# Altium PCB fMAX_MB.PcbDoc (part 8 of 13) (continued)
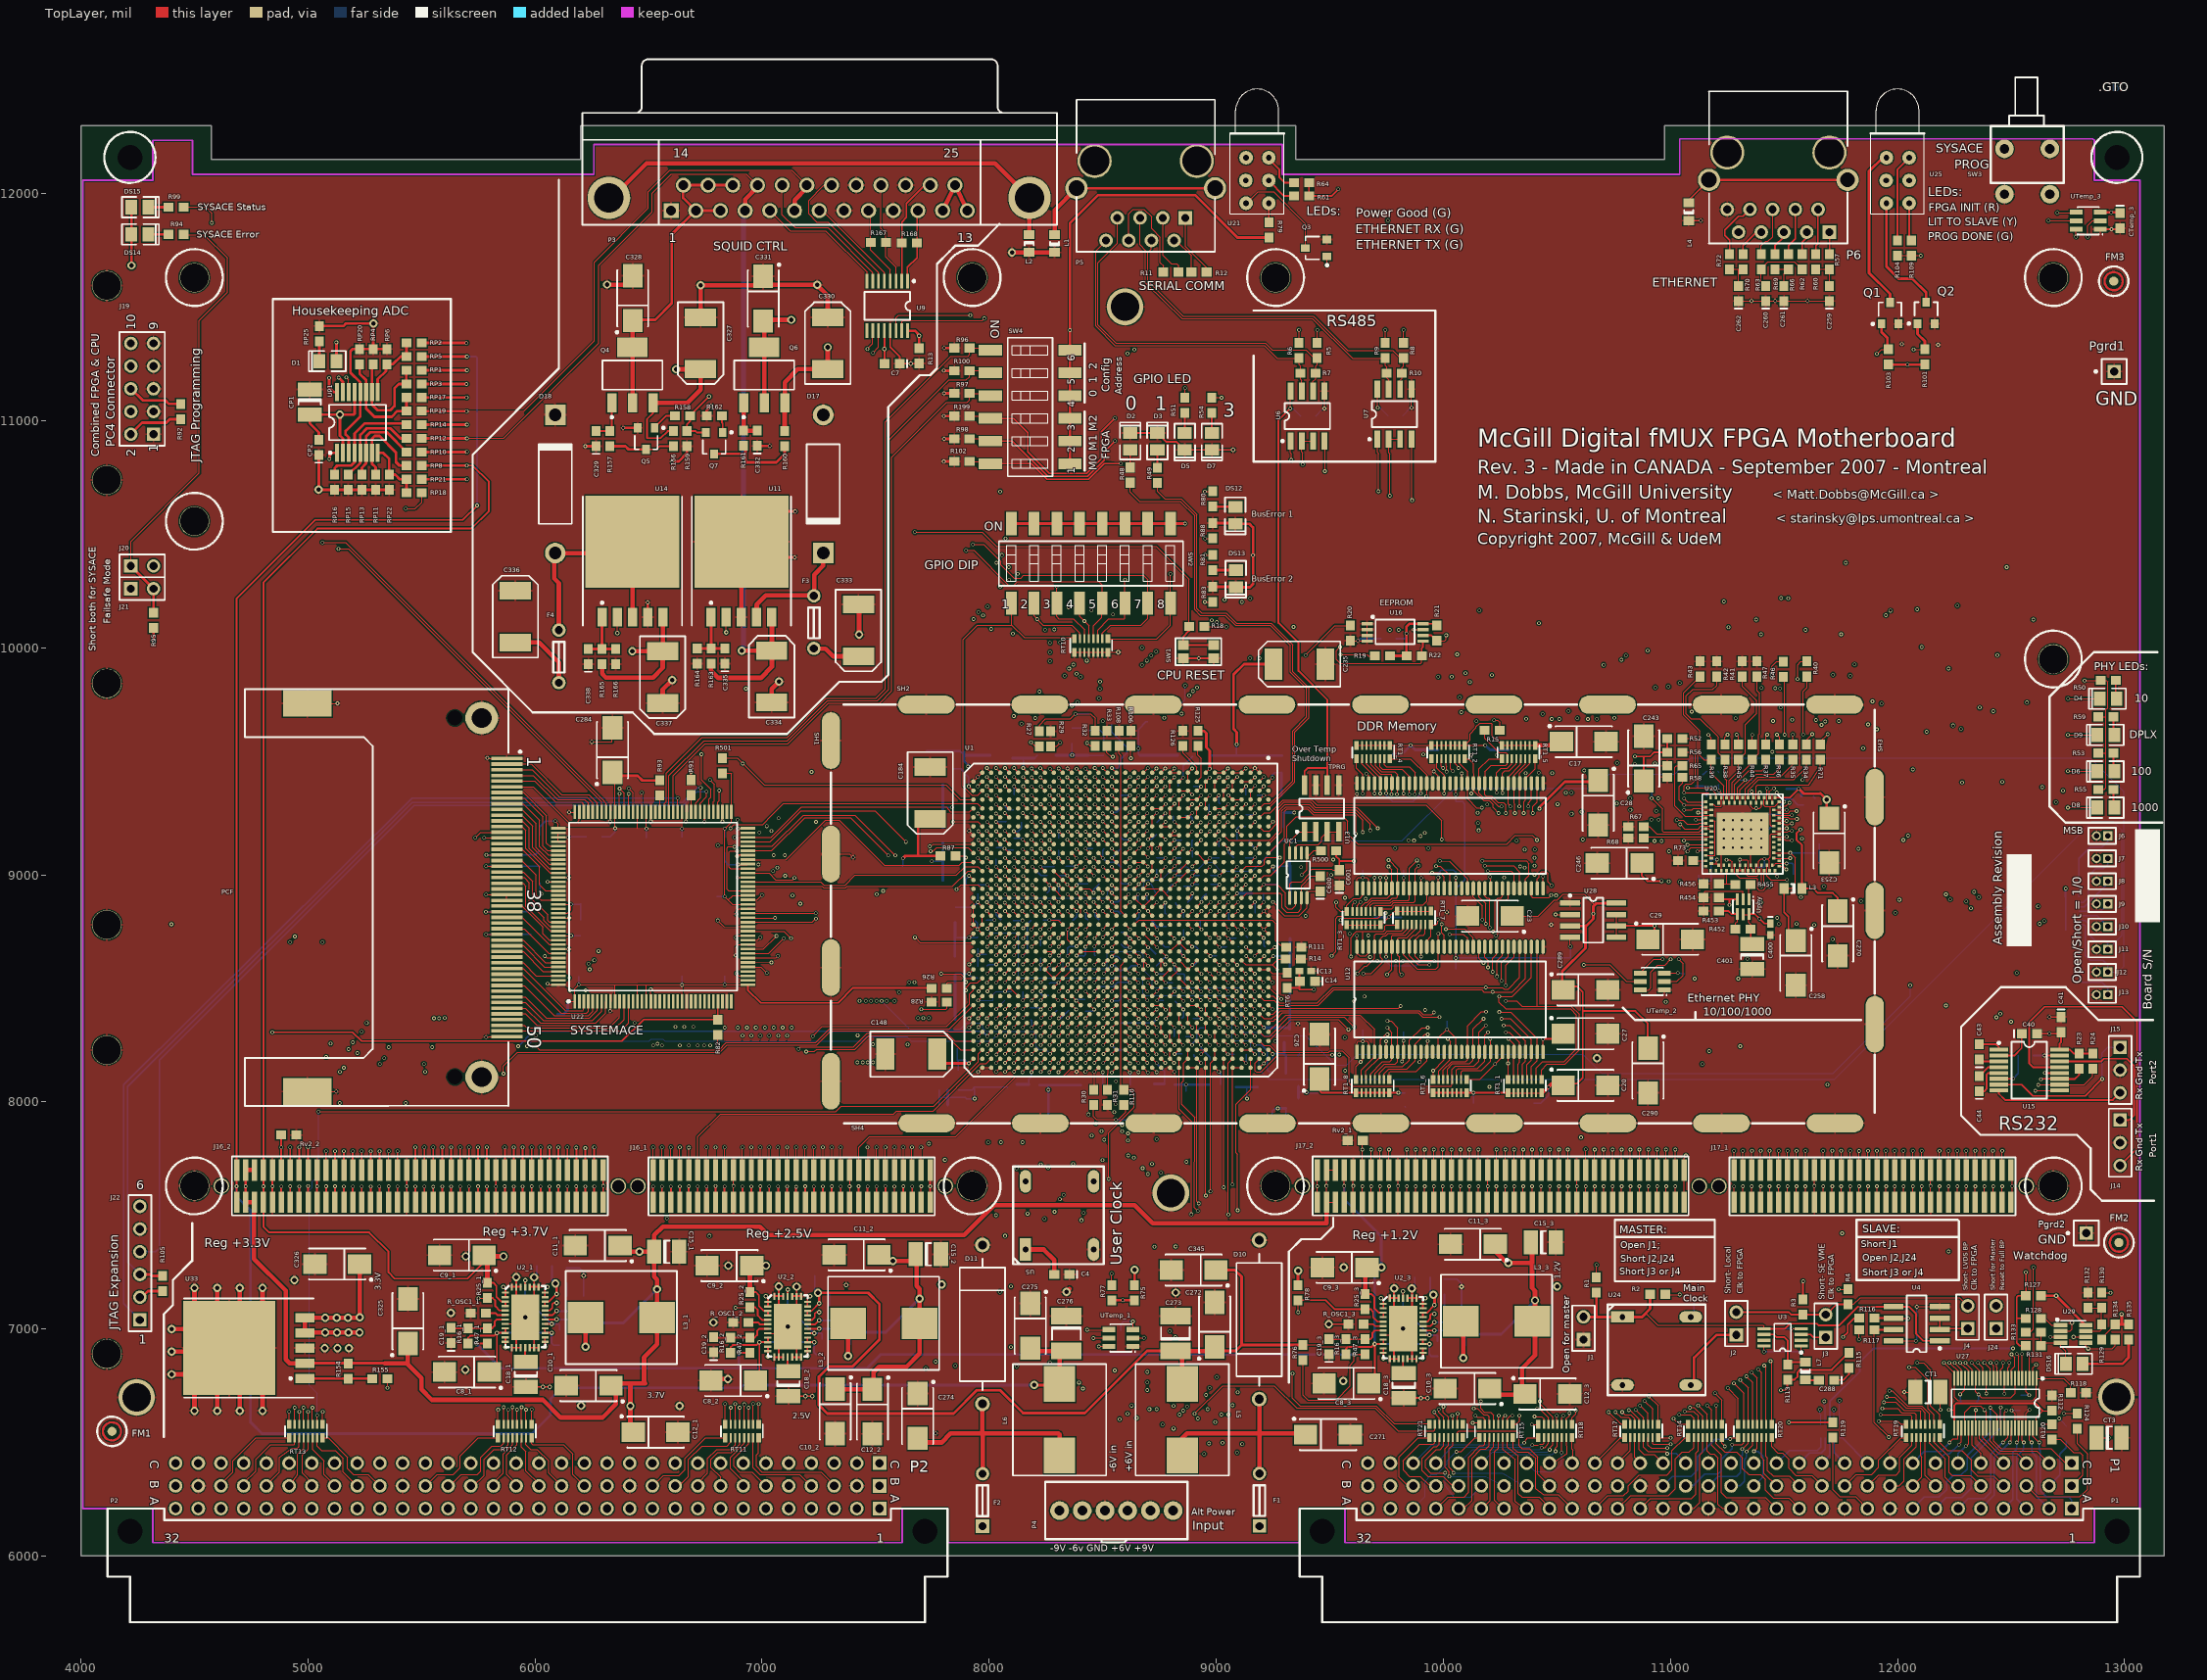
[diagram p0: TopLayer view]
## Nets (pads, with @x,y where several pads share a name; then routed paths per layer and width w, separated by ;. In a path a pad name is that pad's centre, name@x,y a point inside that pad or via, vN(x,y) a via of type N, cw(c..) or ccw(c..) an arc to the next point about the centre after c; other vN are vias at no path point) (continued)
  MidLayer3 w5: v1(9014,9270) 9014,9271.87 9030.51,9288.39 9030.51,9561.02 9061.69,9592.2 11143.2,9592.2 v1(11167,9616)
NetR40_1: R40.1 U1.C5 | length 3195.8
  TopLayer w5: U1.C5@9150.87,9292.13 9151.13,9292.13 v1(9171,9312) ; v1(11560.04,9862.2) 11560.04,9925.2 11574.31,9939.46 R40.1@11601,9939.46
  MidLayer5 w5: v1(9171,9312) 9171,9368.83 9189.96,9387.8 v1(9189.96,9953.74)
  MidLayer4 w5: v1(9189.96,9953.74) 9220.63,9923.07 10218.66,9923.07 10279.53,9862.2 v1(11560.04,9862.2)
NetR41_1_1: R41_1.1 R43_1.2 U2_1.25 | length 246.9
  TopLayer w8: U2_1.25@6043.23,7041.89 v3(6095,7042)
  BottomLayer w8: v3(6095,7042) 6156,7042 6172,7026 R41_1.1@6230.54,7026 R43_1.2@6230.54,6973
NetR41_2_1: R41_2.1 R43_2.2 U2_2.25 | length 246.9
  TopLayer w8: U2_2.25@7199.4,7000.82 v3(7251.17,7000.93)
  BottomLayer w8: v3(7251.17,7000.93) 7312.17,7000.93 7328.17,6984.93 R41_2.1@7386.71,6984.93 R43_2.2@7386.71,6931.93
NetR41_3_1: R41_3.1 R43_3.2 U2_3.25 | length 246.9
  TopLayer w8: U2_3.25@9909.06,6992.82 v3(9960.83,6992.93)
  BottomLayer w8: v3(9960.83,6992.93) 10021.83,6992.93 10037.83,6976.93 R41_3.1@10096.36,6976.93 R43_3.2@10096.36,6923.93
NetR42_1_1: R42_1.1 U2_1.24 U2_1.35 | length 358.3
  TopLayer w8: U2_1.35@5956.61,7186.18 v3(5956.61,7214.39) ; U2_1.24@6043.23,7022.2 v3(6073,7022)
  BottomLayer w8: v3(5956.61,7214.39) 5956.61,7138.39 v3(6073,7022) 6105,7022 6108,7019 R42_1.1@6108,6995.46
NetR42_2_1: R42_2.1 U2_2.24 U2_2.35 | length 358.3
  TopLayer w8: U2_2.35@7112.79,7145.11 v3(7112.79,7173.31) ; U2_2.24@7199.4,6981.13 v3(7229.17,6980.93)
  BottomLayer w8: v3(7112.79,7173.31) 7112.79,7097.31 v3(7229.17,6980.93) 7261.17,6980.93 7264.17,6977.93 R42_2.1@7264.17,6954.39
NetR42_3_1: R42_3.1 U2_3.24 U2_3.35 | length 358.3
  TopLayer w8: U2_3.35@9822.44,7137.11 v3(9822.44,7165.31) ; U2_3.24@9909.06,6973.13 v3(9938.83,6972.93)
  BottomLayer w8: v3(9822.44,7165.31) 9822.44,7089.31 v3(9938.83,6972.93) 9970.83,6972.93 9973.83,6969.93 R42_3.1@9973.83,6946.39
NetR44_1: R44.1 U1.B3 | length 2424.8
  TopLayer w5: U1.B3@9190.24,9370.87 9190.24,9371.24 v1(9209,9390) ; R44.1@11360,9573.46 v1(11360,9616)
  MidLayer1 w5: v1(9209,9390) 9247.28,9390 9273.62,9416.34 9273.62,9466.17 9284.45,9477 9785.58,9477 9812.77,9449.8 9937.99,9449.8 9949.8,9437.99 10066.93,9437.99 10073.82,9431.1 10105.32,9431.1 10122.8,9448.59 10167.09,9448.59 10187.97,9469.47 10261.79,9469.47 10289.71,9497.39 10695.42,9497.39 10747.93,9444.88 10851.38,9444.88 10923.89,9517.39 11093.89,9517.39 11146.5,9570 11311.14,9570 11357.14,9616 v1(11360,9616)
NetR45_1: R45.1 U1.D14 | length 4460
  TopLayer w5: U1.D14@9111.5,8937.8 9111.5,8938.5 v1(9130,8957) ; v1(11291,9617) 11300,9608 R45.1@11300,9573.46
  MidLayer1 w5: v1(9149.61,10217.52) 11228.14,10217.52 11232.08,10221.46 11240.16,10221.46 11266.57,10195.04 11463.74,10195.04 v1(11487.2,10218.5)
  MidLayer5 w5: v1(9130,8957) 9130,8957.76 9149.61,8977.36 9149.61,9273.62 9166.34,9290.35 9179.13,9290.35 9229.33,9340.55 9229.33,10137.8 v1(9149.61,10217.52)
  MidLayer6 w5: v1(11291,9617) 11291,9618.76 11319.88,9647.64 11319.88,9789.99 11487.2,9957.31 v1@11487.2,10219.49
NetR46_1: R46.1 U1.D5 | length 3143.1
  TopLayer w5: U1.D5@9111.5,9292.13 9111.5,9292.5 v1(9131,9312) ; v1(11446.85,9879.92) 11446.85,9918.31 11467.01,9938.46 R46.1@11497,9938.46
  MidLayer5 w5: v1(9131,9312) 9131,9367.22 9149.61,9385.83 v1(9149.61,9954.72)
  MidLayer4 w5: v1(9149.61,9954.72) 9149.61,9955.71 9183.9,9990 9459.86,9990 9516.79,9933.07 10687.01,9933.07 10698.82,9944.88 10738.19,9944.88 10756.89,9926.18 11400.59,9926.18 v1(11446.85,9879.92)
NetR58_2: R58.2 U20.27 | length 237.6
  TopLayer w4: R58.2@11053.46,9430 11053.46,9404.84 11038.39,9389.76 11038.39,9329.61 v1(11060,9308)
  TopLayer w5: v1(11060,9308) 11131.96,9308 11142.48,9297.48 U20.27@11156,9297.48
NetR61_1: R61.1 U21.A2 | length 139.3
  TopLayer w8: U21.A2@9231.18,12057.64 9231.18,12056.82 9299,11989 R61.1@9341.54,11989
NetR64_1: R64.1 U21.A3 | length 179.5
  TopLayer w8: U21.A3@9231.18,12157.64 9231.18,12151.82 9278,12105 9278,12071 9302,12047 R64.1@9341.54,12047
NetR65_2: R65.2 U20.30 | length 387.3
  TopLayer w4: R65.2@11053.46,9480 11025.28,9480 11019.68,9474.41 11019.68,9303.15 11063.98,9258.86 11139.76,9258.86 11142.95,9262.05 U20.30@11180,9262.05
NetR67_2: R67.2 U20.37 | length 288.1
  TopLayer w4: R67.2@10881.46,9212 10908,9212 10940.63,9179.37 11121.63,9179.37 U20.37@11156,9179.37
NetR68_2: R68.2 U20.38 | length 300.8
  TopLayer w4: R68.2@10881.46,9162 10887.02,9167.56 U20.38@11180,9167.56
NetR71_1: R71.1 U1.B13 | length 3404.8
  TopLayer w5: U1.B13@9190.24,8977.17 U1.B13@9190.24,8977.17 9210,8997 9240.11,8997 9300.2,9057.09 9300.2,9133.86 9310.2,9143.86 9310.2,9213.74 9351.22,9254.76 9559.21,9254.76 9578.74,9235.24 9578.74,9180.12 9624.02,9134.84 10278.54,9134.84 10316.93,9173.23 10392.72,9173.23 v1(10412.4,9153.54) ; R71.1@11660,9573.46 11660,9587 v1(11692,9619)
  MidLayer4 w5: v1(10412.4,9153.54) 10482.28,9083.66 10637.8,9083.66 10714.57,9006.89 11405.51,9006.89 11519.68,9121.06 11574.8,9121.06 11650.59,9196.85 11650.59,9577.59 v1(11692,9619)
NetR73_2: R73.2 U20.47 | length 61.3
  TopLayer w4: R73.2@11094.72,9061.26 U20.47@11156,9061.26
NetR75_1: R75.1 R77.1 U2_1.27 U2_2.27 U2_3.27 | length 4255.1
  TopLayer w8: U2_1.27@6043.23,7081.26 6064.26,7081.26 6076,7093 6076,7109 6082,7115 v3(6095,7115) ; U2_2.27@7199.4,7040.19 7220.43,7040.19 7232.17,7051.93 7232.17,7067.93 7238.17,7073.93 v3(7251.17,7073.93) ; U2_3.27@9909.06,7032.19 9930.09,7032.19 9941.83,7043.93 9941.83,7059.93 9947.83,7065.93 v3(9960.83,7065.93)
  TopLayer w12: R77.1@8540,7126.54 R75.1@8640,7126.54
  MidLayer1 w5: v3(6095,7115) 6888.94,7115 6930.01,7073.93 8535.98,7073.93 v1(8588.58,7126.54) 9552.6,7126.54 9613.2,7065.93 v3(9960.83,7065.93)
NetR79_1: R79.1 U21.A1 | length 84.9
  TopLayer w8: U21.A1@9231.18,11957.64 9231.18,11875.28 R79.1@9233,11873.46
NetR84_1: R84.1 U22.133 | length 98.8
  TopLayer w5: U22.133@6102.68,8732.05 v1(6159.05,8732.05)
  BottomLayer w6: v1(6159.05,8732.05) R84.1@6201.51,8732.05
NetR87_1: R87.1 U1.AJ11 | length 304.1
  TopLayer w5: R87.1@7852.46,9083 7891.41,9083 7897.64,9076.77 v1(7897.64,9075.79) ; v1(8110,9075) 8127.24,9057.76 U1.AJ11@8127.24,9055.91
  MidLayer2 w5: v1(7897.64,9075.79) 7918.31,9075.79 7938.98,9055.12 8090.12,9055.12 v1(8110,9075)
NetR88_1: R88.1 U1.AK11 | length 2361.8
  TopLayer w4: v1(8950.84,10481.16) R88.1@8984.79,10481.16
  TopLayer w5: v1(8070,9075) 8087.87,9057.13 U1.AK11@8087.87,9055.91
  MidLayer1 w5: v1(8072.16,10481.16) v1(8950.84,10481.16)
  MidLayer4 w5: v1(8070,9075) 8070,9075.67 8051.18,9094.49 8051.18,10240.16 8069.88,10258.86 8069.88,10360.24 8072.16,10362.51 v1(8072.16,10481.16)
NetR96_2: R96.2 SW4.7 U22.88 | length 3086.9
  TopLayer w5: U22.88@6569.21,9277.32 6569.21,9314.21 6577.9,9322.9 6577.9,9447.9 6736,9606 7110.92,9606 7282.48,9777.56 7501.65,9777.56 7542,9817.91 7542,10995 7831,11284 7906,11284 7913.46,11291.46 R96.2@7913.46,11320 7994.8,11320 SW4.7@8004.8,11310
NetR97_2: R97.2 SW4.9 U22.86 | length 2876.9
  TopLayer w5: U22.86@6608.58,9277.32 6608.58,9436.58 6748,9576 7112.42,9576 7293.31,9756.89 7517.85,9756.89 7571,9810.04 ; 7570.47,9809.51 7571,10839 7813,11081 7903,11081 7913.46,11091.46 R97.2@7913.46,11120 7994.8,11120 SW4.9@8004.8,11110
NetR99_2: R99.2 U22.95 | length 3538.5
  TopLayer w5: R99.2@4453.46,11940 4550.16,11940 4576.77,11913.39 v1(4576.77,11871.06) ; v1(6412,9381) 6431.42,9361.58 U22.95@6431.42,9277.32
  MidLayer1 w5: v1@4577,11871 4577,11216 v1(6412,9381)
NetR100_2: R100.2 SW4.8 U22.87 | length 2976.4
  TopLayer w5: U22.87@6588.9,9277.32 6588.9,9435.9 6744,9591 7110.69,9591 7287.24,9767.56 7508.61,9767.56 7557,9815.94 7557,10914 7822,11179 7899,11179 7913.46,11193.46 R100.2@7913.46,11220 7994.8,11220 SW4.8@8004.8,11210
NetR104_1: R104.1 U25.A3 | length 384.3
  TopLayer w8: R104.1@11999,11793.46 11999,12104 U25.A3@12051.18,12156.18
NetR106_2: R106.2 U1.U13 | length 615.7
  TopLayer w5: U1.U13@8599.69,8977.17 8602.17,8977.17 v1(8620,8995) ; v1(8624,9513) R106.2@8624,9567.53
  MidLayer5 w5: v1@8619.17,8995 v1(8620,8995) 8604.33,9010.67 8604.33,9437.01 8624,9456.68 v1(8624,9513)
NetR108_2: R108.2 U1.U17 | length 759.5
  TopLayer w5: R108.2@8572,9567.53 8572,9533 8580,9525 8580,8839 8599.31,8819.69 U1.U17@8599.69,8819.68
NetR109_1: R109.1 U25.A1 | length 168.2
  TopLayer w8: U25.A1@12051.18,11957.64 12051.18,11803.28 R109.1@12061,11793.46
NetR111_2: R111.2 U1.T18 | length 765.3
  TopLayer w5: U1.T18@8639.69,8780.31 U1.T18@8639.06,8780.31 8658.74,8800 9246,8800 9261,8785 9261,8710 9280,8691 R111.2@9306.53,8691
NetR122_1: R122.1 U1.J31 | length 107.7
  TopLayer w5: U1.J31@8914.65,8268.5 8914.65,8268.35 v1(8933,8250)
  BottomLayer w6: v1(8933,8250) 8933,8236 8972,8197 R122.1@8972,8184.54
NetR123_1: R123.1 U1.K31 | length 133.8
  TopLayer w5: U1.K31@8875.28,8268.5 8875.5,8268.5 v1(8894,8250)
  BottomLayer w6: v1(8894,8250) 8894,8258 8914,8278 8914,8309 8930,8325 R123.1@8947.54,8325
NetR125_2: R125.2 U1.J2 | length 170.5
  TopLayer w5: U1.J2@8914.65,9410.24 8914.65,9410.65 8934,9430 8934,9513 8919,9528 R125.2@8919,9566.54
NetR126_2: R126.2 U1.J1 | length 142.5
  TopLayer w5: R126.2@8853,9566.54 8853,9535 8914.65,9473.35 U1.J1@8914.65,9449.61
NetR128_2: R128.2 U29.1 | length 99
  TopLayer w5: R128.2@12631.78,7046.06 12647.94,7046.06 12677.94,7016.06 U29.1@12718.32,7016.06
NetR129_1: R129.1 R130.1 R132.2 U29.7 | length 227.3
  TopLayer w5: U29.7@12828.55,6990.47 12890.47,6990.47 12898.32,6998.31 R130.1@12898.32,7092.6 R132.2@12838.32,7092.6
NetR154_1: R154.1 R155.2 U33.1 | length 296.1
  TopLayer w12: U33.1@4986.34,6782.14 R155.2@5282.39,6782.14
NetR452_2: R452.2 R453.1 Uphy.4 | length 156.9
  TopLayer w5: R452.2@11286.54,8760 11286.54,8786.54 11294.41,8794.41 Uphy.4@11294.41,8827.52
  TopLayer w8: R453.1@11213.46,8840 11256,8840 11268.48,8827.52 Uphy.4@11294.41,8827.52
NetR455_1: R455.1 R456.2 U20.55 | length 132
  TopLayer w5: R456.2@11213.46,8960 R455.1@11286.54,8960 ; 11247,8960 11247.4,8960.4 U20.55@11247.4,9018.74
NetR455_2: R455.2 Uphy.1 | length 70.8
  TopLayer w5: Uphy.1@11345.59,8892.48 11345.59,8952.13 R455.2@11353.46,8960
NetR_OSC1_1_2: R_OSC1_1.2 U2_1.6 | length 90
  TopLayer w8: R_OSC1_1.2@5783.46,7070 5825,7070 5833.43,7061.57 U2_1.6@5870,7061.57
NetR_OSC1_2_2: R_OSC1_2.2 U2_2.6 | length 90
  TopLayer w8: R_OSC1_2.2@6939.64,7028.93 6981.17,7028.93 6989.6,7020.5 U2_2.6@7026.17,7020.5
NetR_OSC1_3_2: R_OSC1_3.2 U2_3.6 | length 90
  TopLayer w8: R_OSC1_3.2@9649.29,7020.93 9690.83,7020.93 9699.25,7012.5 U2_3.6@9735.83,7012.5
NetRP1_2: RP1.2 RP3.2 RP4.2 UP1.10 | length 496.4
  TopLayer w12: RP4.2@5287.88,11248.42 5281.86,11242.39 5281.86,11071.14 5307,11046 5363,11046 5381,11064 5381,11142 5400,11161 RP3.2@5433.54,11161 5433.54,11221 RP1.2@5434.42,11221.88
NetRP2_2: RP2.2 RP5.2 RP6.2 UP1.9 | length 299.8
  TopLayer w12: UP1.9@5307.45,11125.74 5307.45,11182.45 5343,11218 5343,11243.54 RP6.2@5347.88,11248.42 5374.42,11248.42 5407.88,11281.88 RP5.2@5434.42,11281.88 RP2.2@5434.42,11341.88
NetRP8_1: RP8.1 RP11.2 UP1.7 | length 401.3
  TopLayer w12: RP11.2@5297.88,10761.88 5297.88,10794.12 5281.86,10810.14 5281.86,10919.86 5294,10932 5316,10932 5388,10860 5388,10817 5403.12,10801.88 RP8.1@5434.42,10801.88
NetRP10_1: RP10.1 RP13.2 UP1.6 | length 398
  TopLayer w12: RP13.2@5237.88,10761.88 5237.88,10792.88 5256.27,10811.27 5256.27,10930.27 5275,10949 5347.3,10949 RP10.1@5434.42,10861.88
NetRP12_1: RP12.1 RP15.2 UP1.5 | length 430.8
  TopLayer w12: RP15.2@5177.88,10761.88 5230.68,10814.68 5230.68,10936.68 5260,10966 5363,10966 5407.12,10921.88 RP12.1@5434.42,10921.88
NetRP14_1: RP14.1 RP16.2 UP1.4 | length 503.5
  TopLayer w12: RP16.2@5117.88,10761.88 5117.88,10790.88 5129,10802 5190,10802 5205.09,10817.09 5205.09,10943.09 5250,10988 5428.3,10988 RP14.1@5434.42,10981.88
NetRP17_2: RP17.2 RP19.2 RP20.2 UP1.11 | length 470.1
  TopLayer w12: RP20.2@5227.88,11248.42 5227.88,11206.12 5256.27,11177.73 5256.27,11053.73 5293,11017 5369,11017 5393.88,11041.88 RP19.2@5434.42,11041.88 RP17.2@5434.42,11101.88
NetRP18_1: RP18.1 RP21.1 RP22.2 UP1.8 | length 275.6
  TopLayer w12: UP1.8@5307.45,10858.02 5330.98,10858.02 5357.88,10831.12 RP22.2@5357.88,10761.88 5384.12,10761.88 5404.12,10741.88 RP21.1@5434.42,10741.88 RP18.1@5434.42,10681.88
NetRT6_1: RT6.1 U1.A23 U1.B23 | length 130.5
  TopLayer w5: U1.B23@9190.24,8583.46 9190.54,8583.46 U1.A23@9229.61,8583.46 9229.61,8583.39 9247,8566 9308.54,8566 RT6.1@9312,8569.46
NetTPRG_1: TPRG.1 TPRG.2 UC1.8 | length 196.2
  TopLayer w5: UC1.8@9323.61,9084.69 9323.61,9148.42 9364.83,9189.64 TPRG.2@9439,9189.64
NetTPRG_3: TPRG.3 TPRG.4 UC1.7 | length 265.3
  TopLayer w5: UC1.7@9349.2,9085.83 9349.2,9124.8 9357.59,9133.19 9449.13,9133.19 9463.58,9147.64 9463.58,9164.22 TPRG.3@9489,9189.64 TPRG.4@9539,9189.64
NetU1_F18: U1.F18 U20.2 | length 4291.9
  TopLayer w4: U20.2@11448.19,9317 11448.19,9356.19 v1(11467.52,9362.2)
  TopLayer w5: U1.F18@9032.76,8780.31 9034.69,8780.31 v1(9055,8760)
  MidLayer3 w5: v1(9055,8760) 9056.26,8760 9056.26,8755.75 9091.22,8720.79 9144.68,8720.79 9174.06,8691.42 9217.11,8691.42 9244.2,8718.5 9275.59,8718.5 9302.68,8691.42 9515.24,8691.42 9579.72,8755.91 9672.24,8755.91 9755.91,8672.24 10549.9,8672.24 10554.82,8667.32 11520.67,8667.32 v1(11632.87,8779.53)
  MidLayer6 w5: v1(11467.52,9362.2) 11467.52,9169.29 11511.81,9125 11592.52,9125 11658.46,9190.94 12062.01,9190.94 12065.94,9187.01 12065.94,9152.56 11692.91,8779.53 v1(11632.87,8779.53)
NetU1_H19: U1.H19 U20.4 | length 4011.5
  TopLayer w4: U20.4@11424.57,9317 11424.57,9375.43 v1(11425.2,9380.91)
  TopLayer w5: U1.H19@8954.06,8740.94 v1(8973,8722)
  MidLayer1 w5: v1(8973,8722) 8973,8719.06 8875,8621.06 8875,8385.83 8953.74,8307.09 8953.74,8246.06 9107.13,8092.68 10289.53,8092.68 10519.68,8322.83 10519.68,8814.96 10895.67,9190.94 11125.98,9190.94 11333.66,9398.62 11407.48,9398.62 v1(11425.2,9380.91)
NetU20_58: U20.58 U20.69 U21.K2 | length 4563.8
  TopLayer w4: U20.58@11282.83,9042.41 11282.83,9006.54 11304.28,8985.09 11377.11,8985.09 11382.87,8979.33 11382.87,8938.98 11389.76,8932.09 11409.45,8932.09 11419.29,8941.93 11419.29,8957.68 11412.76,8964.21 U20.69@11412.76,9018.74
  TopLayer w5: 11419.29,8949.8 v1(11436.02,8949.8)
  Gnd3 w5: U21.K2@9130,12057.64 9130,12057.01 9184.06,12002.95 9184.06,11929.13 9379.92,11733.27 9379.92,11572.21 11152.56,9799.58 11152.56,9678.15 11185.04,9645.67 11185.04,9610.24 11151.73,9576.93 11151.73,9012.02 11203.74,8960.01 11369.46,8960.01 11388.78,8979.33 11406.5,8979.33 v1(11436.02,8949.8)
NetU20_68: U20.68 U21.K3 | length 4470.5
  TopLayer w4: v1@11400.94,8950.16 U20.68@11400.94,9042.41
  Gnd3 w5: U21.K3@9131.18,12157.64 9070.87,12097.32 9070.87,11920.28 9180.12,11811.02 9287.4,11811.02 9369.09,11729.33 9369.09,11568.9 11141.73,9796.26 11141.73,9007.87 11199.8,8949.8 v1(11400.59,8949.8)
P1_A1_24: P1.A1 U27.47 | length 482.1
  TopLayer w5: U27.47@12596.35,6563.02 12596.35,6527.65 v1(12624,6500)
  BottomLayer w6: v1(12624,6500) 12624,6469 12628,6465 12628,6288 12657,6259 12755,6259 12767,6247 P1.A1@12767,6209
P1_A2_24: P1.A2 U27.46 | length 389.8
  TopLayer w5: U27.46@12580.61,6563.02 12580.61,6510.39 v1(12591,6500)
  BottomLayer w6: v1(12591,6500) 12591,6458 12612,6437 12612,6264 P1.A2@12667,6209
P1_A3_24: P1.A3 U27.44 | length 387.1
  TopLayer w5: U27.44@12549.11,6563.02 12549.11,6506.89 v1(12556,6500)
  BottomLayer w6: v1(12556,6500) 12556,6469 12525,6438 12525,6251 P1.A3@12567,6209
P1_A4_24: P1.A4 U27.43 | length 381.5
  TopLayer w5: v1(12525,6500) 12533.36,6508.36 U27.43@12533.36,6563.02
  BottomLayer w6: P1.A4@12467,6209 12508,6250 12508,6455 12525,6472 v1(12525,6500)
P1_A5_24: P1.A5 U27.41 | length 411.6
  TopLayer w5: v1(12495,6500) 12501.87,6506.87 U27.41@12501.87,6563.02
  BottomLayer w6: P1.A5@12367,6209 12426,6268 12426,6434 12492,6500 v1(12495,6500)
P1_A6_24: P1.A6 U27.40 | length 486.4
  TopLayer w5: v1(12464,6500) 12486.12,6522.12 U27.40@12486.12,6563.02
  BottomLayer w6: P1.A6@12267,6209 12312,6254 12382,6254 12410,6282 12410,6447 12463,6500 v1(12464,6500)
P1_A7_24: P1.A7 U27.38 | length 695.7
  TopLayer w5: U27.38@12454.62,6563.02 v1(12454.62,6654.38)
  BottomLayer w6: P1.A7@12167,6209 12215,6257 12283,6257 12324,6298 12324,6433 12454.62,6563.62 v1(12454.62,6654.38)
P1_A8_24: P1.A8 U27.37 | length 746
  TopLayer w5: v1(12408,6653) 12438.87,6622.13 U27.37@12438.87,6563.02
  BottomLayer w6: P1.A8@12067,6209 12117,6259 12183,6259 12217,6293 12217,6327 12247,6357 12280,6357 12306,6383 12306,6444 12408,6546 v1(12408,6653)
P1_A12_24: P1.A12 RT14.16 | length 695.3
  TopLayer w5: RT14.16@11225.92,6521.21 11225.92,6496.35 11226.92,6496.35 v1(11240,6483.27)
  MidLayer1 w6: v1(11240,6483.27) 11240,6483 11253,6470 11290,6470 11312,6492 11379,6492 11417,6454 11417,6297 11467,6247 11629,6247 P1.A12@11667,6209
P1_A13_24: P1.A13 RT14.15 | length 566.3
  TopLayer w5: RT14.15@11201.31,6521.21 11201.31,6494.95 11239,6457.27 11292,6457.27 11318,6431.27 11318,6385.27 11344,6359.27 11396,6359.27 11418,6337.27 11418,6289.27 11452,6255.27 11522,6255.27 P1.A13@11568,6209.27
P1_A14_24: P1.A14 RT14.14 | length 531.9
  TopLayer w5: RT14.14@11181.63,6521.21 11181.63,6487.64 11225,6444.27 11225,6279.27 11246,6258.27 11419,6258.27 P1.A14@11468,6209.27
P1_A16_24: P1.A16 RT14.13 | length 390.4
  TopLayer w5: RT14.13@11161.94,6521.21 11161.94,6462.32 11174,6450.27 11193,6450.27 11210,6433.27 11210,6227.27 11228,6209.27 P1.A16@11268,6209.27
P1_A18_24: P1.A18 RT14.12 | length 363.2
  TopLayer w5: P1.A18@11068,6209.27 11103,6209.27 11129,6235.27 11129,6444.27 11142.26,6457.53 RT14.12@11142.26,6521.21
P1_A20_24: P1.A20 RT14.11 | length 523.4
  TopLayer w5: P1.A20@10868,6209.27 10912,6253.27 11093,6253.27 11112,6272.27 11112,6453.27 11122.57,6463.84 RT14.11@11122.57,6521.21
P1_A21_24: P1.A21 RT14.10 | length 567.2
  TopLayer w5: P1.A21@10768,6209.27 10825,6266.27 10992,6266.27 11022,6296.27 11022,6428.27 11051,6457.27 11083,6457.27 11102.89,6477.16 RT14.10@11102.89,6521.21
P1_A22_24: P1.A22 RT14.9 | length 602.8
  TopLayer w5: P1.A22@10668,6209.27 10724,6265.27 10793,6265.27 10814,6286.27 10814,6310.27 10861,6357.27 10984,6357.27 11007,6380.27 11007,6464.27 11063.94,6521.21 RT14.9@11078.28,6521.21
P1_A23_24: P1.A23 RT15.16 | length 491.4
  TopLayer w5: RT15.16@10305.92,6521.21 10306,6476.27 10327,6458.27 10373,6458.27 10406,6429.27 10406,6296.27 10441,6270.27 10506,6270.27 10567,6209.27 P1.A23@10568,6209.27
P1_A24_24: P1.A24 RT15.15 | length 436.4
  TopLayer w5: RT15.15@10281.31,6521.21 10281.31,6479.95 10329,6440.27 10329,6275.27 10346,6260.27 10421,6260.27 10468,6213.27 P1.A24@10468,6209.27
P1_A25_24: P1.A25 RT15.14 | length 368.8
  TopLayer w5: RT15.14@10261.63,6521.21 10261.63,6469.64 10316,6425.27 10316,6241.27 10357,6209.27 P1.A25@10368,6209.27
P1_A26_24: P1.A26 RT15.13 | length 339.5
  TopLayer w5: RT15.13@10241.94,6521.21 10241.94,6476.21 10226,6460.27 10226,6245.27 10262,6209.27 P1.A26@10268,6209.27
P1_A27_24: P1.A27 RT15.12 | length 335.6
  TopLayer w5: P1.A27@10168,6209.27 10170,6209.27 10206,6245.27 10206,6465.27 10222.26,6481.53 RT15.12@10222.26,6521.21
P1_A28_24: P1.A28 RT15.11 | length 392.3
  TopLayer w5: P1.A28@10068,6209.27 10090,6209.27 10126,6245.27 10126,6430.27 10166,6470.27 10186,6470.27 10202.57,6486.84 RT15.11@10202.57,6521.21
P1_A29_24: P1.A29 RT15.10 | length 451.9
  TopLayer w5: P1.A29@9968,6209.27 9970,6209.27 10021,6260.27 10091,6260.27 10111,6280.27 10111,6435.27 10161,6485.27 10176,6485.27 10182.89,6492.16 RT15.10@10182.89,6521.21
P1_A30_24: P1.A30 RT15.9 | length 468.7
  TopLayer w5: v1(10057,6459.27) 10078,6459.27 10139.94,6521.21 RT15.9@10158.28,6521.21
  BottomLayer w5: P1.A30@9868,6209.27 9868,6211.27 9919,6262.27 9919,6329.27 9948,6358.27 9971,6358.27 10017,6404.27 10017,6419.27 v1(10057,6459.27)
P1_C1_24: P1.C1 U27.36 | length 441.7
  TopLayer w5: U27.36@12423.13,6563.02 12423.13,6504.99 12455.11,6473 12676,6473 12740,6409 P1.C1@12767,6409
P1_C2_24: P1.C2 U27.35 | length 357.3
  TopLayer w5: U27.35@12407.38,6563.02 12407.38,6505.18 12450.56,6462 12614,6462 P1.C2@12667,6409
P1_C3_24: P1.C3 U27.33 | length 279
  TopLayer w5: U27.33@12375.88,6563.02 12375.88,6521.12 12446,6451 12526,6451 P1.C3@12567,6410
P1_C4_24: P1.C4 U27.32 | length 198.3
  TopLayer w5: U27.32@12360.13,6563.02 12360.13,6515.87 P1.C4@12467,6409
P1_C5_24: P1.C5 U27.30 | length 169.9
  TopLayer w5: U27.30@12328.64,6563.02 12328.64,6489.36 12367,6451 P1.C5@12367,6409
P1_C6_24: P1.C6 U27.29 | length 173.6
  TopLayer w5: v1(12301,6484) 12312.89,6495.89 U27.29@12312.89,6563.02
  BottomLayer w6: P1.C6@12267,6409 12267,6451 12300,6484 v1(12301,6484)
P1_C7_24: P1.C7 U27.27 | length 213.7
  TopLayer w5: v1(12270,6491) 12281.39,6502.39 U27.27@12281.39,6563.02
  BottomLayer w6: P1.C7@12167,6409 12207,6449 12228,6449 v1(12270,6491)
P1_C8_24: P1.C8 U27.26 | length 290.4
  TopLayer w5: v1(12230,6500) 12245.35,6515.35 12265.65,6515.35 U27.26@12265.65,6563.02
  BottomLayer w6: P1.C8@12067,6409 12118,6460 12190,6460 v1(12230,6500)
PHY_AVDD0_11: C254.2 C255.2 C256.2 C257.2 C258.1 L3.2 P6.9 U20.32 U20.35 U20.36 U20.40 U20.45 U20.78 | length 4952
  TopLayer w4: U20.45@11156,9084.88 11195.12,9084.88 11196,9085.76 11196,9235 11192.58,9238.42 U20.32@11180,9238.42 ; U20.35@11156,9202.99 11168.19,9202.99 U20.36@11180,9191.18 ; U20.40@11180,9143.94 11196,9144 ; U20.78@11455,9096.69 v1@11527.69,9096.69
  TopLayer w5: v1(10917,9338) 10964.57,9290.43 10964.57,9192.91 10968.61,9188.87 11127.85,9188.87 11141.97,9202.99 U20.35@11156,9202.99 ; U20.36@11180,9191.18 11195.18,9191.18 ; L3.2@11500.63,8940 11535,8940 11550,8955 11550,9074.39 v1@11527.69,9096.69
  TopLayer w8: L3.2@11500.63,8940 11500.63,8834.37 11520,8815 11520,8742.43 C258.1@11552,8710.43
  MidLayer6 w5: v1(10917,9338) 10917,9336.94 10978.19,9275.75 10978.19,9087.13 11031.7,9033.62 11463.93,9033.62 v1(11527,9096.69)
  MidLayer6 w8: v1(10917,9338) 10917,9458 10885,9490 10885,9870 11175,10160 11175,11705 P6.9@11300,11830
  BottomLayer w6: v1(10917,9338) C256.2@10917,9373.54 ; v1(11527,9096.69) 11635.84,9096.69 C257.2@11639.54,9093 ; C254.2@11655.41,9047 C255.2@11655.41,9138
PHY_COL_1: U1.J9 U20.83 | length 2744.1
  TopLayer w4: U20.83@11478.9,9155.75 11501.97,9155.51 11506.89,9151.57 v1(11535.43,9151.57)
  TopLayer w5: U1.J9@8914.65,9134.65 v1(8933,9153)
  MidLayer3 w5: v1(8933,9153) 8933,9151.65 8950.79,9133.86 9035.07,9133.86 9055.74,9154.53 9819.88,9154.53 9840.55,9133.86 10885.98,9133.86 10921.26,9169.13 ; 10920.12,9169.13 11187.17,9169.13 11215.55,9140.75 11524.61,9140.75 v1(11535.43,9151.57)
PHY_CRS_1: U1.B6 U20.84 | length 2545.5
  TopLayer w4: U20.84@11455,9167.56 11493.86,9167.56 v1(11511.81,9167.32)
  TopLayer w5: U1.B6@9190.24,9252.76 9190.76,9252.76 9211,9273 9237.57,9273 9294.29,9329.72 9420.28,9329.72 9442.91,9307.09 9923.23,9307.09 9992.13,9238.19 v1(9992.13,9155.51)
  MidLayer3 w5: v1(9992.13,9155.51) 10271.65,9155.51 10295.28,9179.13 11500,9179.13 v1(11511.81,9167.32)
PHY_INT_1: R52.2 U1.H8 U20.23 | length 2666.8
  TopLayer w4: R52.2@11053.46,9600 11110.63,9600 11120.5,9590.13 11120.5,9382.56 ; v1(11076.77,9382.87) 11176,9382 11200.16,9357.84 U20.23@11200.16,9340
  TopLayer w5: U1.H8@8954.02,9174.02 v1(8972,9192)
  MidLayer3 w5: v1(8972,9192) 8976.31,9192 8995.08,9173.23 9267.72,9173.23 9491.97,9397.48 11062.17,9397.48 v1(11076.77,9382.87)
PHY_MDC_1: U1.C13 U20.25 | length 2159.9
  TopLayer w4: v1(11060,9336) 11074.9,9321.1 U20.25@11156,9321.1
  TopLayer w5: U1.C13@9150.87,8977.17 9151.17,8977.17 v1(9170,8996)
  MidLayer2 w5: v1(9170,8996) 9180.68,8996 9241.76,9057.09 9504.92,9057.09 v1(9514.76,9066.93)
  Gnd2 w5: v1(9514.76,9066.93) 9530.51,9082.68 9715.55,9082.68 9953.74,9082.68 10008.86,9137.8 10241.14,9137.8 10328.74,9225.39 10826.77,9225.39 10914.37,9312.99 10996.06,9312.99 11019.07,9336 v1(11060,9336)
PHY_MDIN_0_11: P6.2 R60.2 U20.31 | length 3294.7
  TopLayer w4: v1(11112.2,9242.13) 11135.76,9242.13 11143.87,9250.24 U20.31@11156,9250.24
  TopLayer w6: R60.2@11640,11730 11640,11770 11650,11780 P6.2@11650,11930
  MidLayer6 w5: v1@11114.17,9240.16 11102.36,9251.97 11102.36,9279.53 11114.17,9291.34 11178.77,9291.34 11267.72,9380.28 11267.72,9451.15 11385.83,9569.26 11385.83,9712.6 11458.82,9785.59 11602.16,9785.59 11643.54,9826.98 11643.54,11803.54 11650,11810 P6.2@11650,11930
PHY_MDIN_1_11: P6.6 R63.2 U20.34 | length 3255.5
  TopLayer w4: v1(11043.31,9222.44) 11062.99,9202.76 11122.05,9202.76 11134.09,9214.8 U20.34@11180,9214.8
  TopLayer w5: R63.2@11400,11733.46 11400,11770 11420,11790 11430,11790 11450,11810 P6.6@11450,11930
  MidLayer6 w5: v1(11043.31,9222.44) 11043.31,9255.91 11035.43,9263.78 11035.43,9586.61 11350.39,9901.57 11350.39,10137.8 11400,10187.4 11400,11760 11450,11810 P6.6@11450,11930
PHY_MDIN_2_11: P6.5 R69.2 U20.41 | length 3104.9
  TopLayer w4: v1(11074.8,9131.89) U20.41@11156,9132.13
  TopLayer w8: R69.2@11460,11733.46 11460,11770 P6.5@11500,11810
  MidLayer6 w5: v1(11074.8,9131.89) 11049.21,9131.89 11043.31,9137.8 11043.31,9157.48 11074.88,9189.05 11074.88,9281.93 11133.86,9340.91 11133.86,9632.25 11452.76,9951.15 11452.76,11507.87 11444.88,11515.75 11444.88,11543.31 11450,11548.43 11450,11795 11485,11830 P6.5@11500,11830
PHY_MDIN_3_11: P6.8 R72.2 U20.43 | length 3401.6
  TopLayer w4: v1@11119,9104 11124.99,9104 11129.5,9108.5 U20.43@11156,9108.5
  TopLayer w6: R72.2@11260,11733.46 11260,11795 11240,11815 11240,11840 11300,11900 11320,11900 P6.8@11350,11930
  MidLayer6 w5: v1(11118.11,9102.36) 11098.43,9082.68 11047.24,9082.68 10988.19,9141.73 10988.19,9699.18 11200.79,9911.78 11200.79,10124.38 11328.58,10252.17 11328.58,11793.58 11350,11815 P6.8@11350,11930
PHY_MDIO_1: R56.2 U1.G7 U20.24 | length 2557.3
  TopLayer w4: R56.2@11053.46,9540 11096.81,9540 11110.24,9526.57 11110.24,9417.32 11092.52,9399.61 11067.91,9399.61 11060,9391.69 v1(11060,9361) 11167,9361 11176.54,9351.46 U20.24@11176.54,9340
  TopLayer w5: U1.G7@8993.39,9213.39 v1(9013,9233)
  Gnd1 w5: v1(9013,9233) 9013.51,9233 9032.48,9251.97 9186.02,9251.97 9336.61,9402.56 11018.44,9402.56 v1(11060,9361)
PHY_MDIP_0_11: P6.1 R57.2 U20.29 | length 3043.2
  TopLayer w4: v1@11120.08,9275.59 v1(11121.81,9273.86) U20.29@11156,9273.86
  TopLayer w6: R57.2@11700,11733.46 P6.1@11700,11830
  MidLayer6 w5: v1(11121.81,9273.86) 11175.43,9273.86 11279.53,9377.95 11279.53,9448.82 11397.64,9566.93 11397.64,9708.66 11464.57,9775.59 11606.3,9775.59 11653.54,9822.83 11653.54,11748.54 11700,11795 P6.1@11700,11830
PHY_MDIP_1_11: P6.3 R62.2 U20.33 | length 3478.5
  TopLayer w4: v1(11027.56,9240.16) 11055.12,9240.16 11072.83,9222.44 11122.05,9222.44 11126.22,9226.61 U20.33@11156,9226.61
  TopLayer w8: R62.2@11580,11733.46 11580,11785 11600,11805 P6.3@11600,11825
  MidLayer6 w5: v1(11027.56,9240.16) 11023.62,9244.09 11023.62,9588.95 11338.58,9903.91 11338.58,10140.13 11389.76,10191.31 11389.76,11764.76 11440,11815 11440,11870 11405,11905 11405,11960 11425,11980 11565,11980 11600,11945 P6.3@11600,11830
PHY_MDIP_2_11: P6.4 R66.2 U20.39 | length 3323.7
  TopLayer w4: v1(11059.06,9149.61) 11065.2,9155.75 U20.39@11156,9155.75
  TopLayer w8: R66.2@11520,11733.46 11520,11770 11550,11800 P6.4@11550,11930
  MidLayer6 w5: v1(11059.06,9149.61) 11086.61,9177.17 11086.61,9279.53 11145.67,9338.58 11145.67,9629.92 11462.76,9947.01 11462.76,11502.13 11480.32,11519.69 11480.32,11531.5 11460,11551.81 11460,11740 11495,11775 11520,11775 11550,11805 P6.4@11550,11930
PHY_MDIP_3_11: P6.7 R70.2 U20.42 | length 3197.8
  TopLayer w4: v1@11074.8,9101.38 11075.26,9102.05 11091.54,9120.08 11091.77,9120.32 U20.42@11180,9120.32
  TopLayer w6: R70.2@11320,11733.46 11320,11770 11380,11830 P6.7@11400,11830
  MidLayer6 w5: v1(11074.8,9102.36) 11043.31,9102.36 11000,9145.67 11000,9696.85 11212.6,9909.45 11212.6,10122.05 11338.58,10248.03 11338.58,11768.58 P6.7@11400,11830
PHY_RESET_1: U1.D12 U20.28 | length 2214.8
  TopLayer w4: v1(11060.04,9286.42) 11094.49,9286.42 11101.38,9293.31 11132.13,9293.31 11139.76,9285.67 U20.28@11180,9285.67
  TopLayer w5: U1.D12@9111.5,9016.54 9132,9037 9202,9037 9211,9046 9211,9066 9221,9076 v1(9279.53,9075.79)
  Gnd1 w5: v1(9279.53,9075.79) 9494.09,9075.79 9508.04,9089.73 9966.7,9089.73 9983.64,9106.67 10320.26,9106.67 10423.23,9209.65 10965.55,9209.65 10992.13,9236.22 10992.13,9264.76 11013.78,9286.42 v1(11060.04,9286.42)